# Altium PCB CMTestBoard.PcbDoc (part 1 of 2)
Units mil, origin at the board's own origin, x right, y up, seen from the top; angles counter-clockwise.
Board outline 3746.98 x 3732.78 mil, 4 copper layers (Top Layer, Layer 1, Layer 2, Bottom Layer), stack 22.4 mil thick; 125 components, 107 nets, 710 pads, 269 vias.
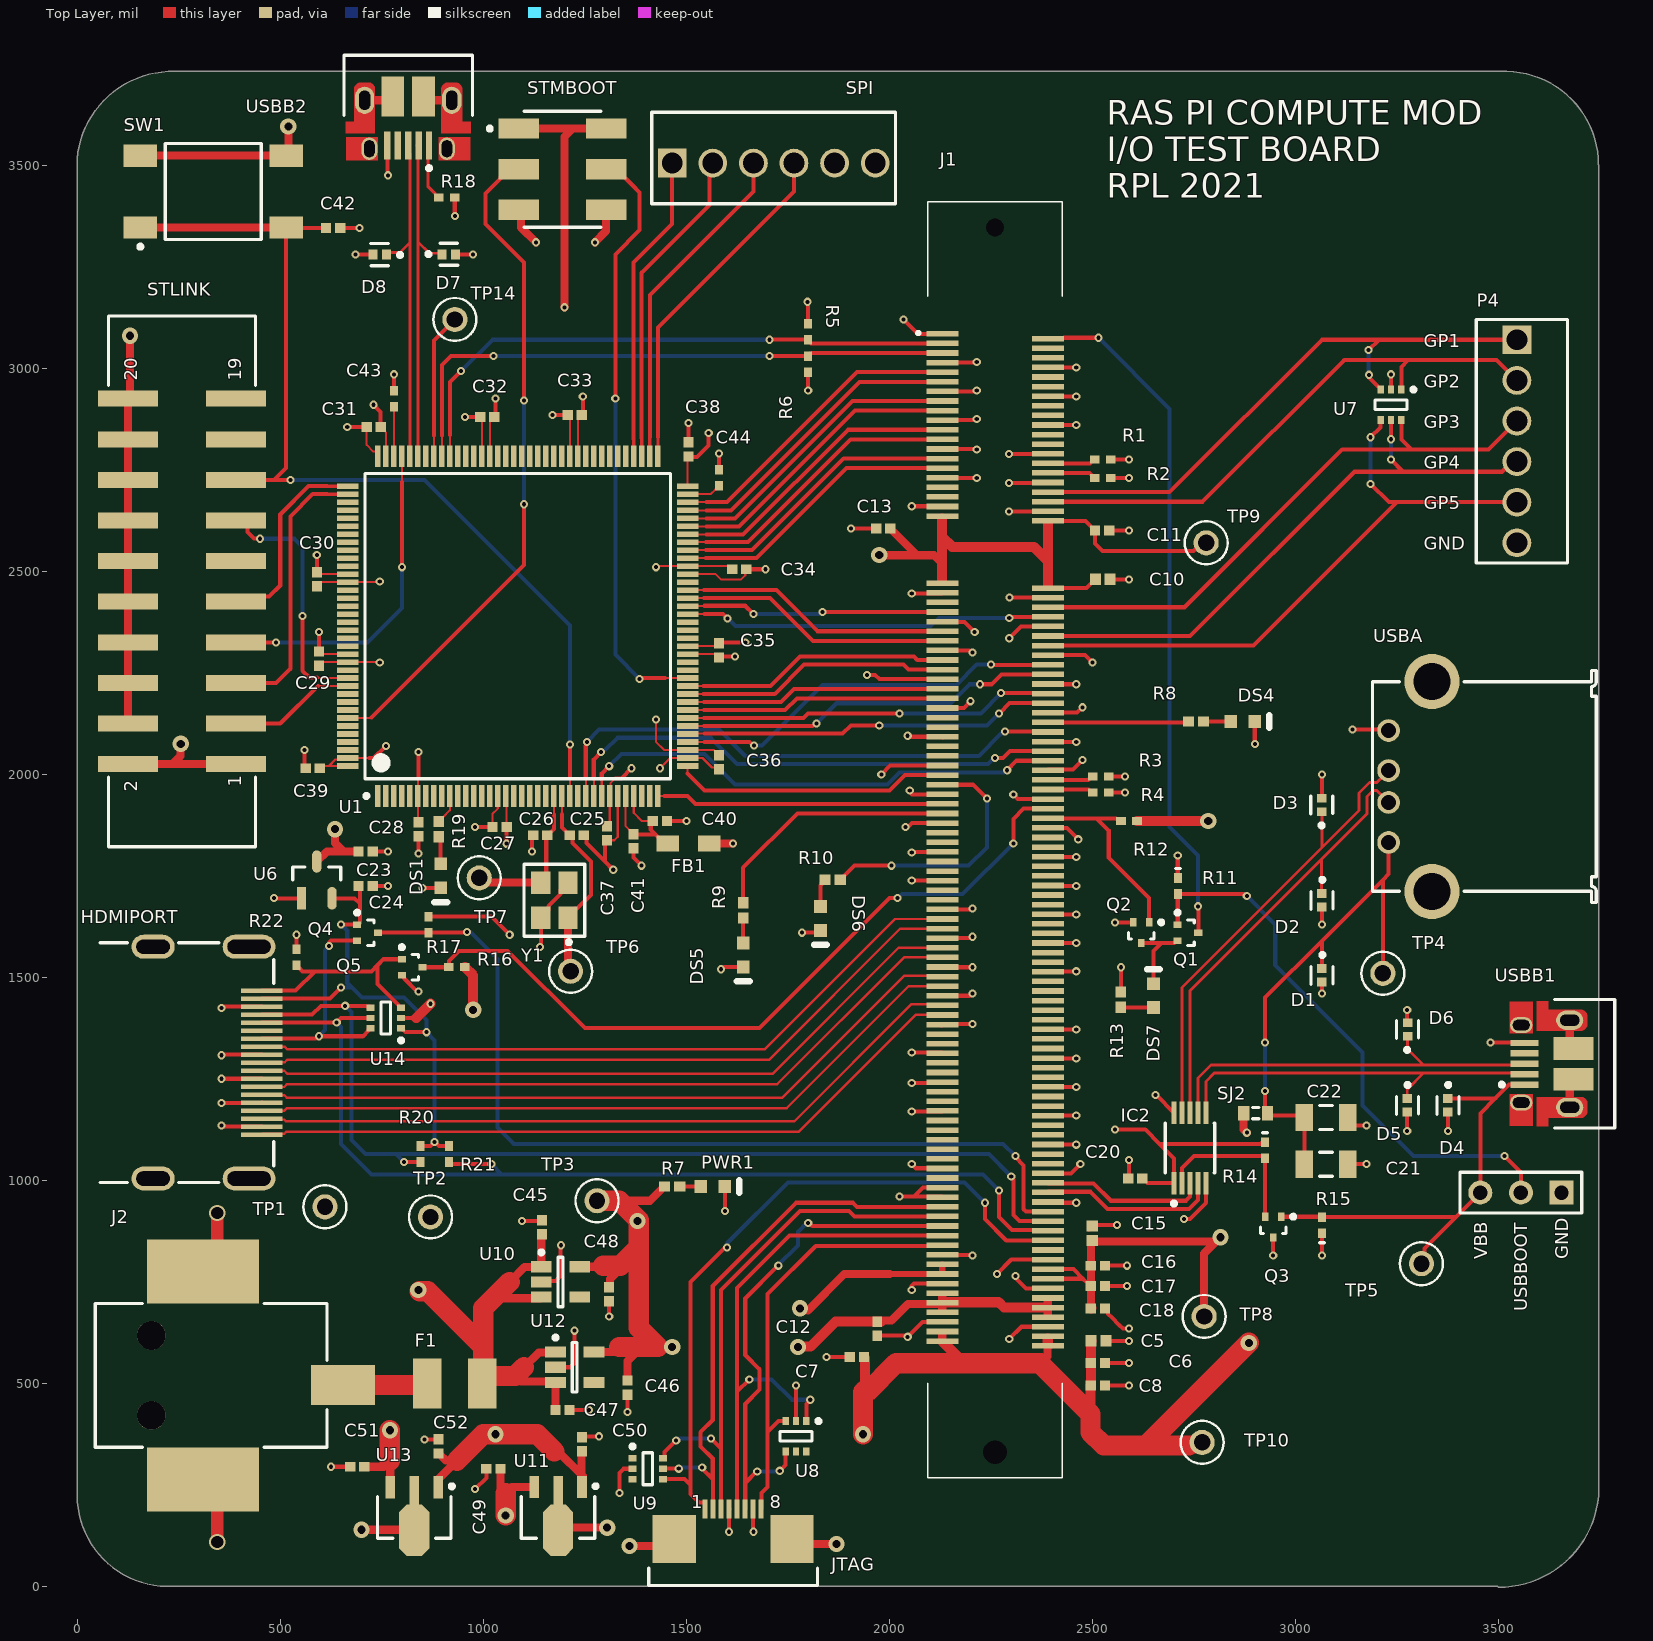
[diagram p0: Top Layer view]
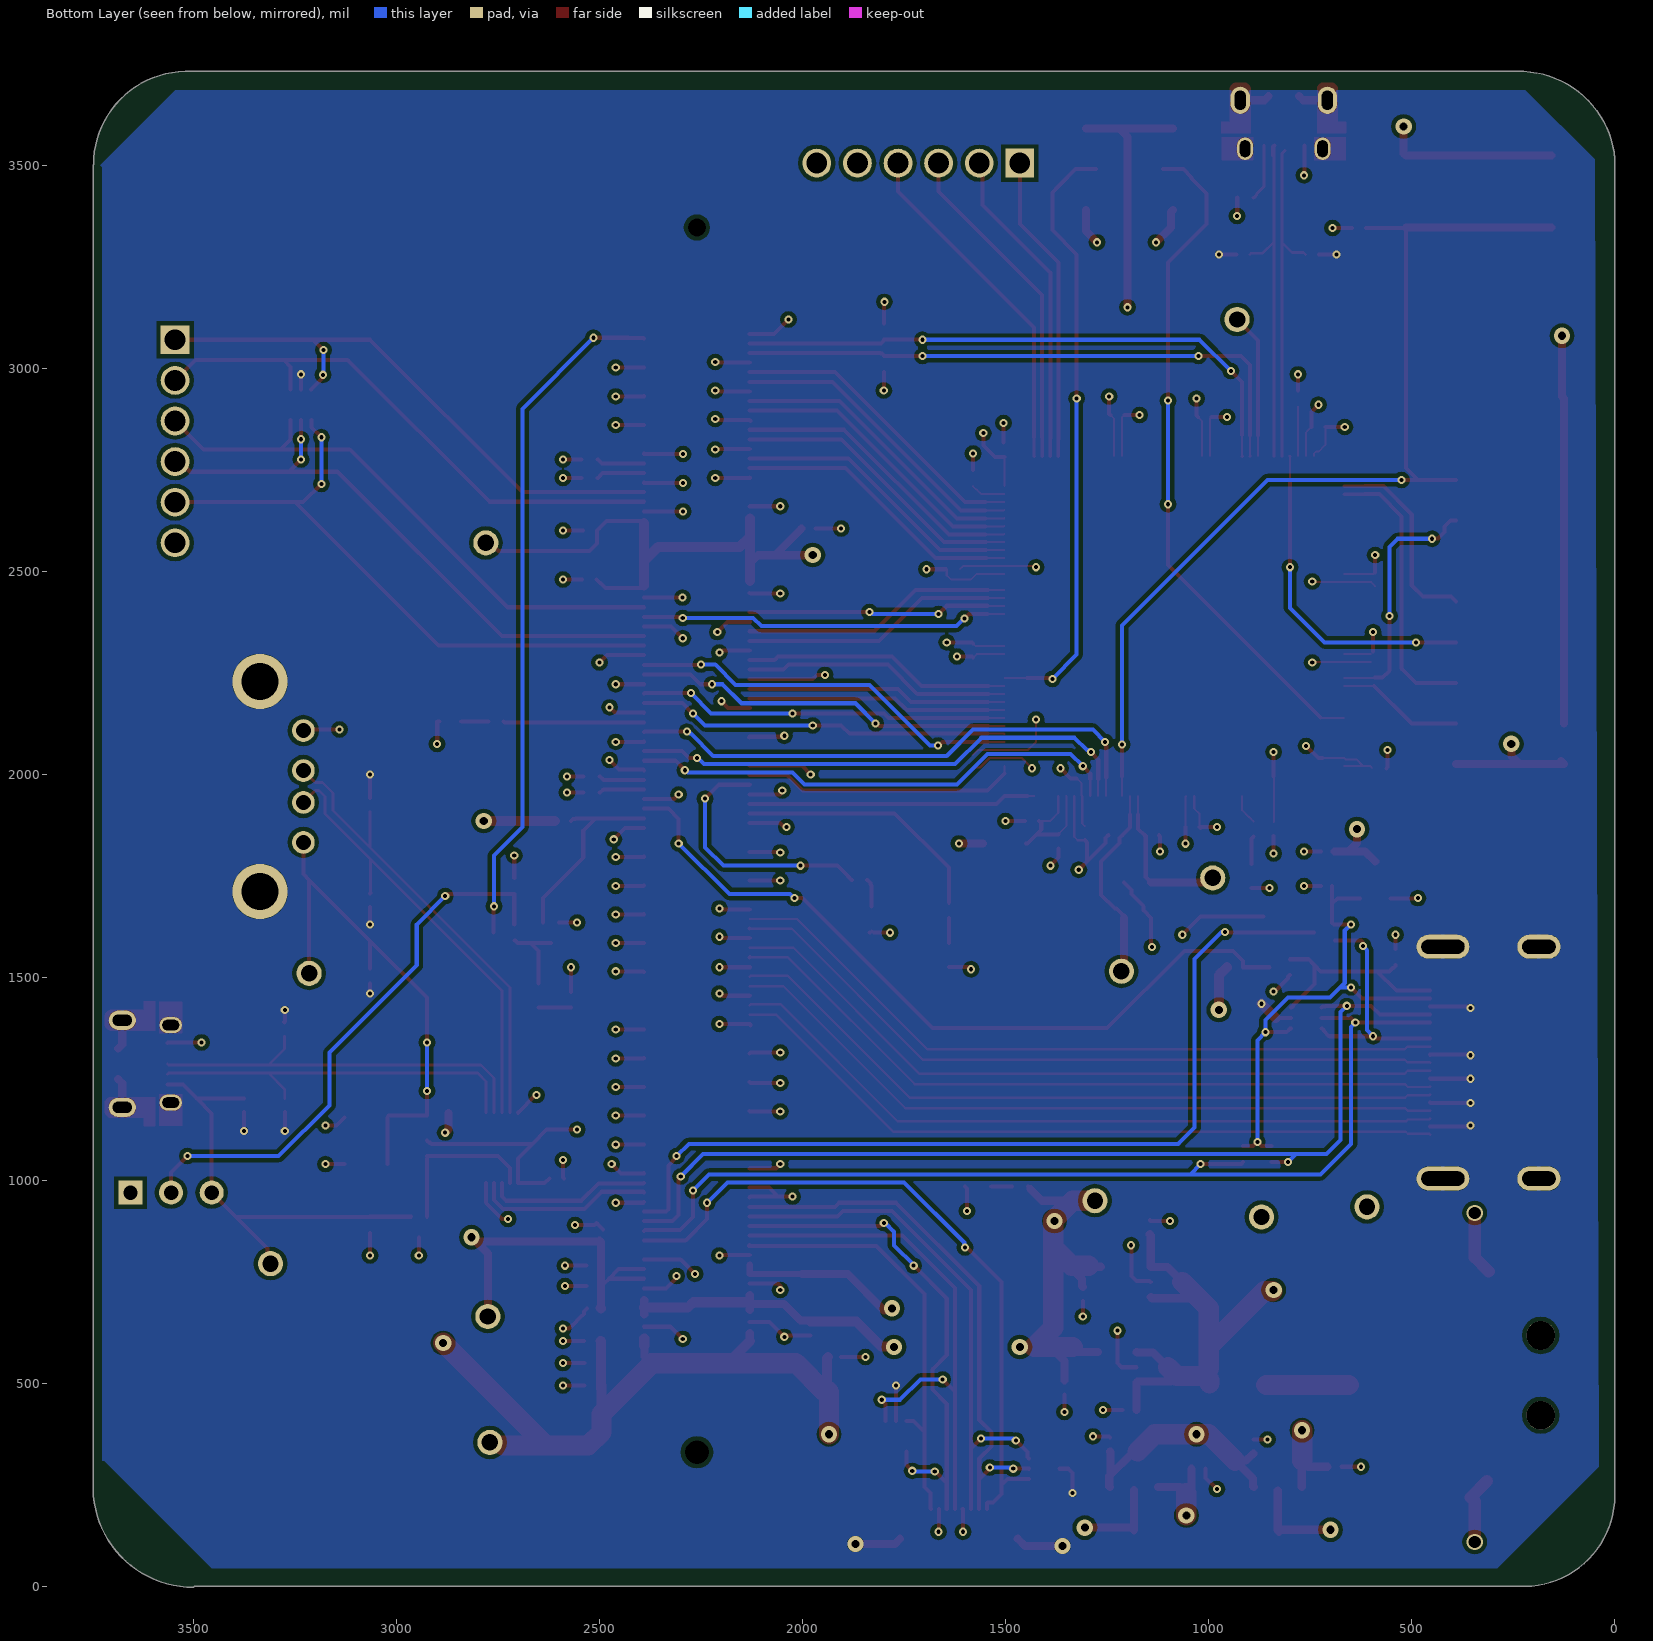
[diagram p1: Bottom Layer view, seen from below]
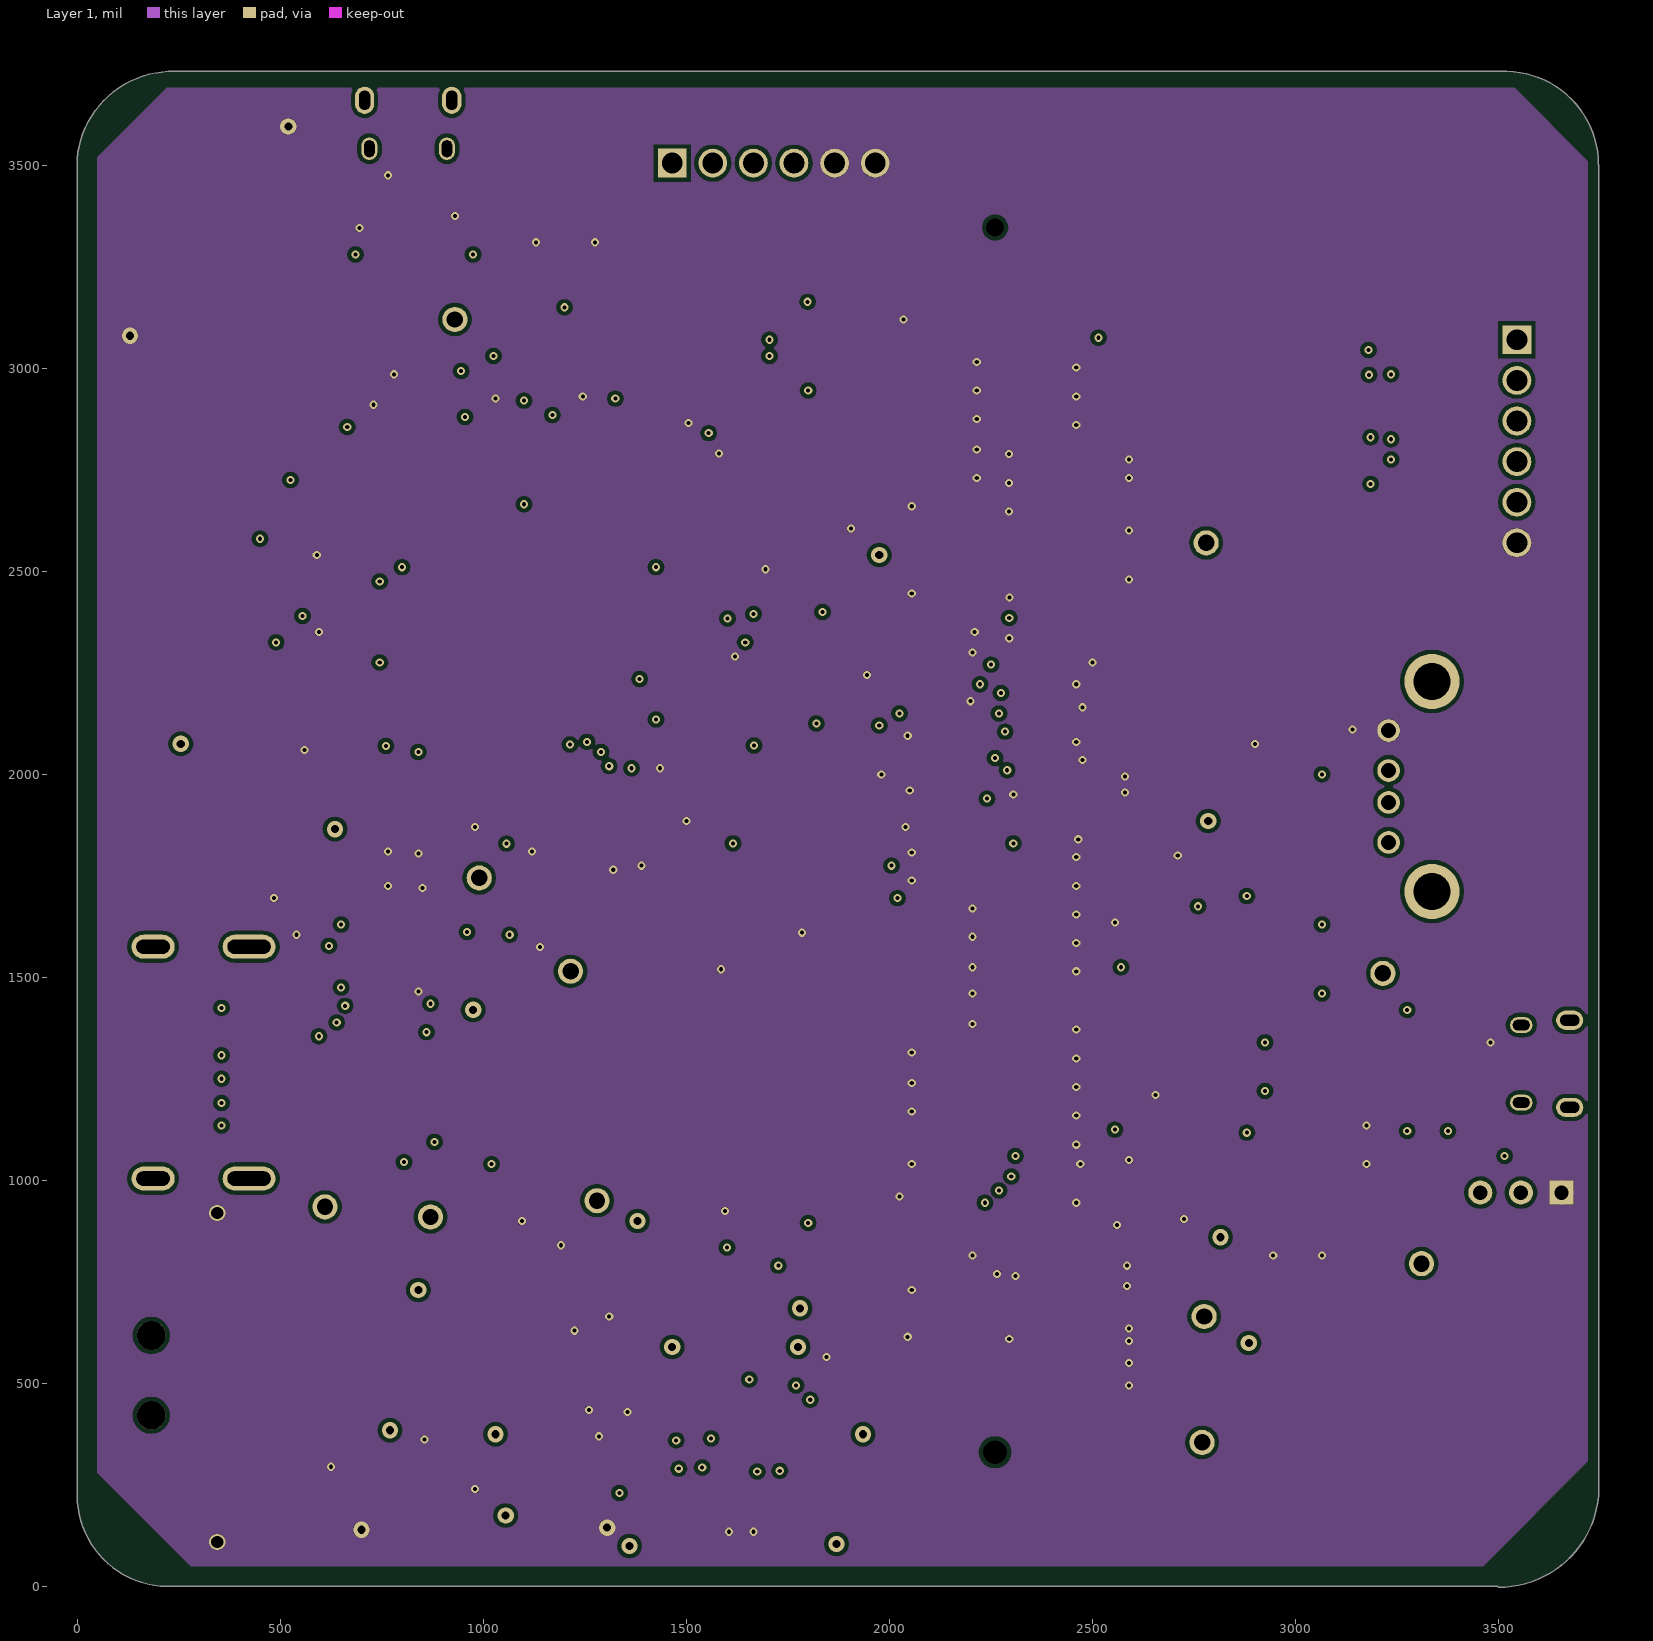
[diagram p2: Layer 1]
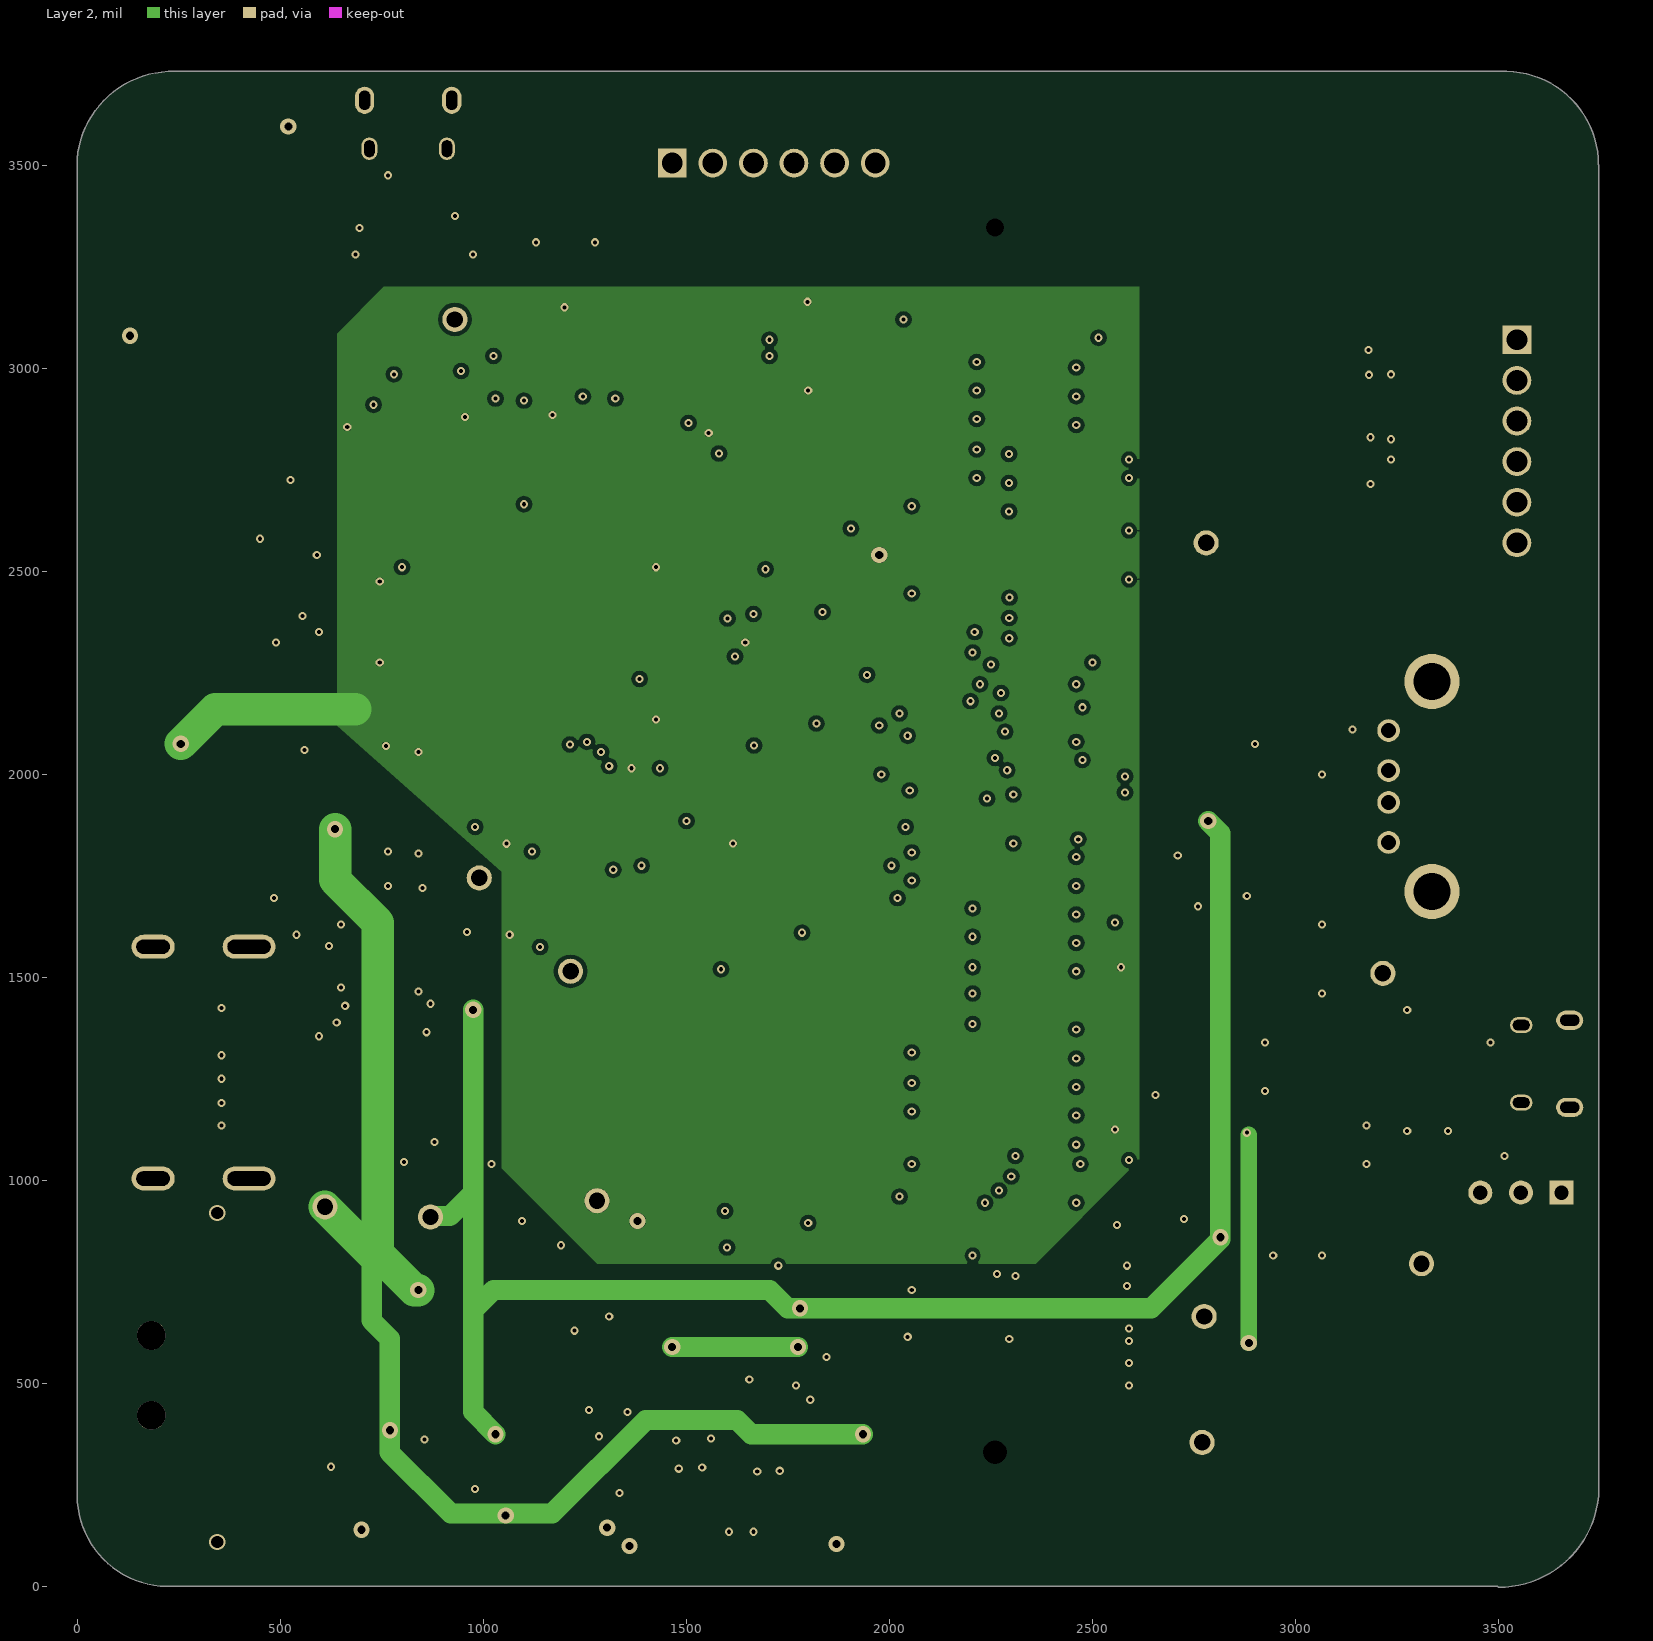
[diagram p3: Layer 2]
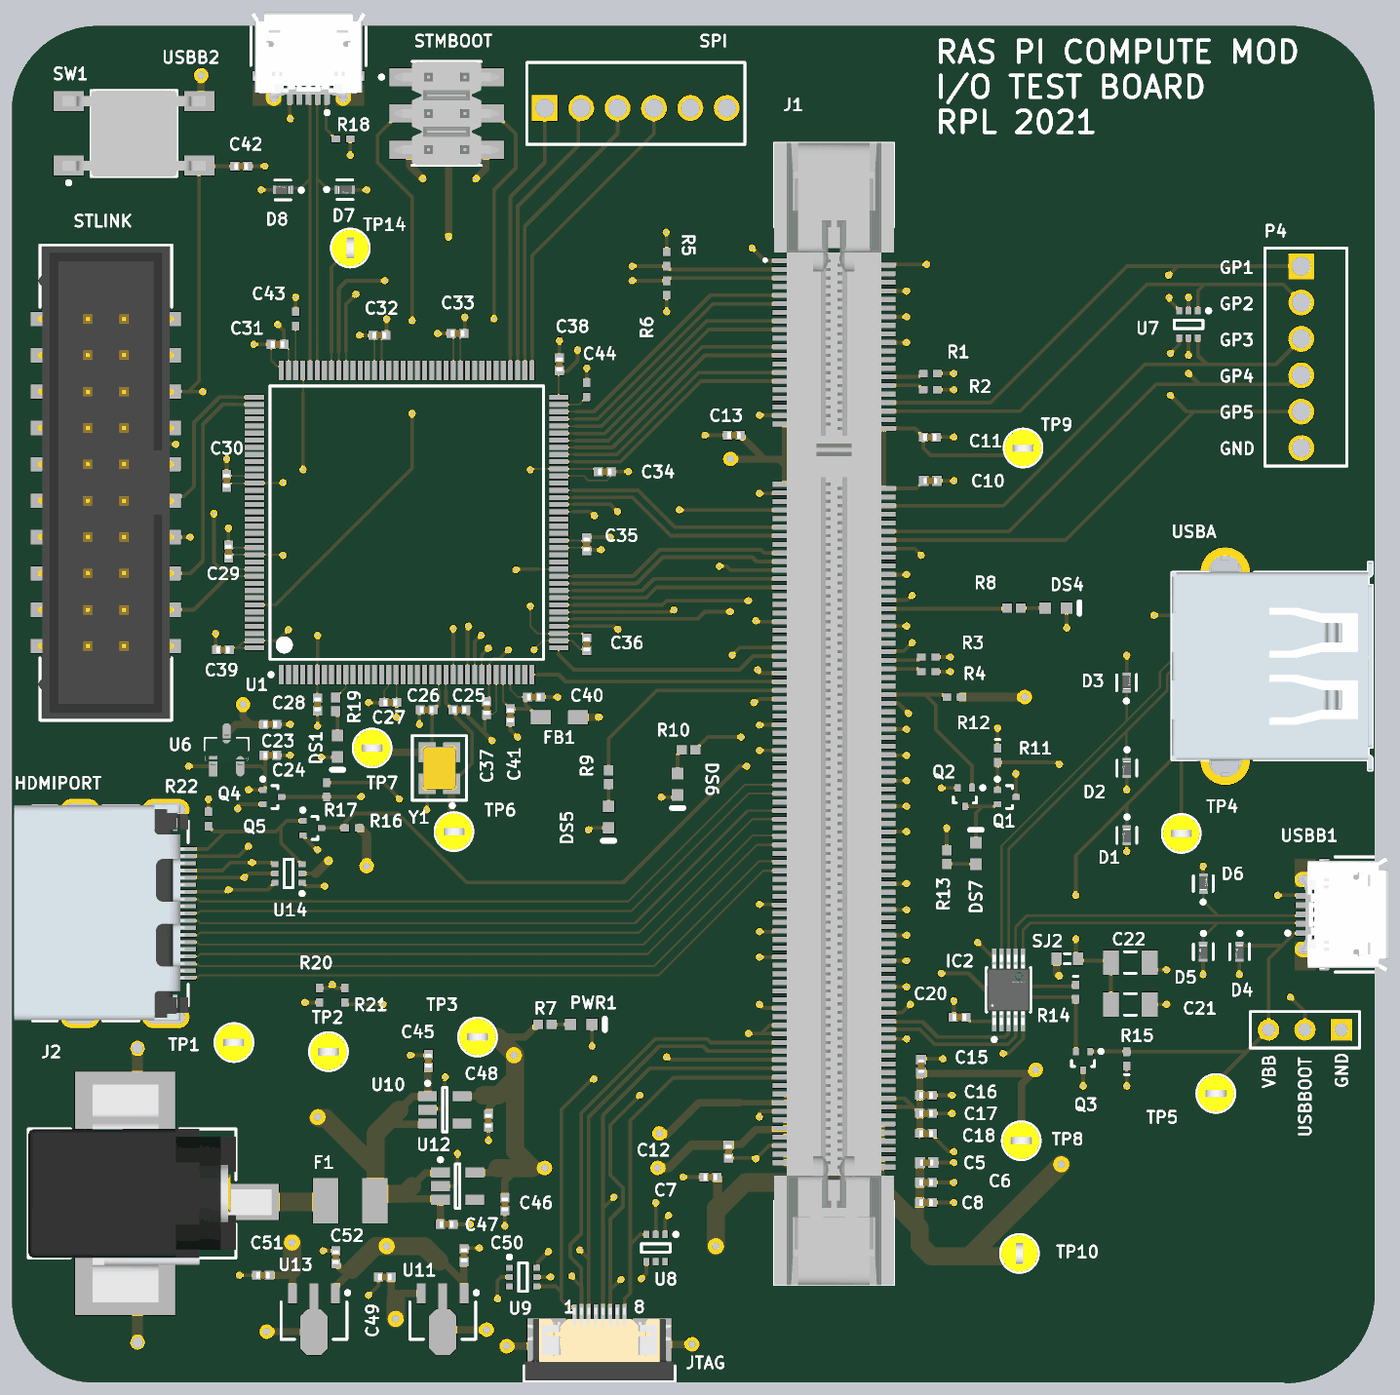
[diagram p5: 3D render of the assembled board from above, using the file's embedded part models]

## Layer stack, top to bottom
Top Solder: solder mask 0.4, Solder Resist, Dk 3.5
Top Layer: signal copper 1.4
Dielectric 2: prepreg 2.8, PP-006, Dk 4.1
Layer 1: signal copper 0.7
Dielectric 1: dielectric 12.6, FR-4, Dk 4.8
Layer 2: signal copper 0.7
Dielectric 3: prepreg 2.8, PP-006, Dk 4.1
Bottom Layer: signal copper 1.4
Bottom Solder: solder mask 0.4, Solder Resist, Dk 3.5

## Board outline
0,225 ccw(c224.73,225) 220.32,0.31 3497.7,0.31 3500,-1.98 ccw(c3500,245) 3746.94,240.16 3746.94,334.95 3746.98,335 3746.98,3500.8 3745.87,3500.8 ccw(c3515.88,3500.8) 3520.39,3730.75 3520.39,3730.8 240.02,3730.8 ccw(c235,3495) 0,3515

## Design rules (kind name [scope] priority, off if disabled: settings)
Clearance [All] p1: gap=10 ignorepadtopadclearanceinfootprint=TRUE except(0: Arc-Text Arc-Hole Track-Text Track-Hole SMDPad-Hole THPad-Text THPad-Hole Via-Text Via-Hole Fill-Text Fill-Hole Poly-Text Poly-Hole Region-Text Region-Hole Text-Text Text-Hole; 5: Arc-Arc Arc-Track Track-Track SMDPad-SMDPad; 6: SMDPad-Text; 8: Arc-SMDPad Track-SMDPad; 15: Arc-THPad Track-THPad; 20: SMDPad-Via THPad-THPad THPad-Via Via-Via)
DiffPairsRouting [All] p1: maxlimit=13 minlimit=10 mostfreqgap=13 toplayer_minwidth=6 toplayer_maxwidth=13 toplayer_prefwidth=7 midlayer1_minwidth=6 midlayer1_maxwidth=13 midlayer1_prefwidth=7 midlayer2_minwidth=6 midlayer2_maxwidth=13 midlayer2_prefwidth=7 bottomlayer_minwidth=6 bottomlayer_maxwidth=13 bottomlayer_prefwidth=7 maxuncoupledlength=500
HoleSize [All] p1: absolutevalues=TRUE maxlimit=100 minlimit=10 maxpercent=80.000 minpercent=20.000
MinimumAnnularRing [All] p1: minimumring=5
MinimumSolderMaskSliver [All] p1: minsoldermaskwidth=8
PolygonConnect [HasFootprint('No Footprint')] p1: connectstyle=Direct reliefconductorwidth=10 reliefentries=4 polygonreliefangle="90 Angle" airgapwidth=10
RoutingVias [All] p1: holewidth=10 width=20 viastyle="Through Hole" minholewidth=5 minwidth=20 maxholewidth=40 maxwidth=50
SolderMaskExpansion [All] p1: expansion=2 istentingtop=FALSE
Width [All] p1: maxlimit=80 minlimit=3.5 preferedwidth=10
27 further rules are at their usual default settings.

## Classes and differential pairs
component class U_STM32F4: C25 C26 C27 C28 C29 C30 C31 C32 C33 C34 C35 C36 C37 C38 C39 C40 C41 C42 C43 C44 D7 D8 DS1 FB1 R18 R19 SPI STLINK STMBOOT SW1 TP6 TP7 TP14 U1 USBB2 Y1
net class TC[1..5]: TC1 TC2 TC3 TC4 TC5
component class U_Peripherals: C20 C21 C22 C23 C24 D1 D2 D3 D4 D5 D6 DS7 HDMIPORT IC2 JTAG Q1 Q2 Q3 Q4 Q5 R11 R12 R13 R14 R15 R16 R17 R20 R21 R22 SJ2 TP4 TP5 U6 U14 USBA USBB1 USBBOOT
net class TOG[1..10]: TOG1 TOG2 TOG3 TOG4 TOG5 TOG6 TOG7 TOG8 TOG9 TOG10
component class U_CMPower: C5 C6 C7 C8 C10 C11 C12 C13 C15 C16 C17 C18 C45 C46 C47 C48 C49 C50 C51 C52 F1 J2 TP1 TP2 TP3 U10 U11 U12 U13
component class U_200PinConnector: DS4 DS5 DS6 J1 P4 PWR1 R1 R2 R3 R4 R5 R6 R7 R8 R9 R10 TP8 TP9 TP10 U7 U8 U9

## Components (designator, comment, footprint, x,y, rotation, side; value= is the part's Value field where it differs from the comment)
C5 "0402CG150J500NT" CAPC1005X90N 2515,605 r180 top value=15pF
C6 "0402CG560J500NT" CAPC1005X55N 2513.43,550 r0 top value=56pF
C7 "CL05B103KB5NNNC" CAPC1005X55N 1920,565 r180 top value=10nF
C8 "CL05B104KO5NNNC" CAPC1005X55N 2513.43,495 r0 top value=100nF
C10 "0402CG150J500NT" CAPC1005X90N 2525.2,2480 r180 top value=15pF
C11 "0402CG560J500NT" CAPC1005X55N 2523.62,2600 r0 top value=56pF
C12 "CL05B103KB5NNNC" CAPC1005X55N 1970,635 r270 top value=10nF
C13 "CL05B104KO5NNNC" CAPC1005X55N 1985,2605 r180 top value=100nF
C15 "0402CG150J500NT" CAPC1005X90N 2500,870 r270 top value=15pF
C16 "0402CG560J500NT" CAPC1005X55N 2513.43,790 r0 top value=56pF
C17 "CL05B103KB5NNNC" CAPC1005X55N 2513.43,740 r0 top value=10nF
C18 "CL05B104KO5NNNC" CAPC1005X55N 2513.43,685 r0 top value=100nF
C20 "CL05B104KO5NNNC" CAPC1005X55N 2605,1005 r180 top value=100nF
C21 "CL31A476MPHNNNE" C1206 3075,1040 r180 top value=47uF
C22 "CL31A476MPHNNNE" C1206 3075,1155 r180 top value=47uF
C23 "CL05B104KO5NNNC" CAPC1005X55N 710,1810 r0 top value=100nF
C24 "CL05B104KO5NNNC" CAPC1005X55N 710,1725 r0 top value=100nF
C25 "CL05C100JB5NNNC" CAPC1005X55N 1230,1850 r0 top value=10pF
C26 "CL05C100JB5NNNC" CAPC1005X55N 1140,1850 r180 top value=10pF
C27 "CL05B104KO5NNNC" CAPC1005X55N 1040,1870 r180 top value=100nF
C28 "CL05B104KO5NNNC" CAPC1005X55N 840,1865 r270 top value=100nF
C29 "CL05B104KO5NNNC" CAPC1005X55N 595,2285 r90 top value=100nF
C30 "CL05B104KO5NNNC" CAPC1005X55N 590,2480 r90 top value=100nF
C31 "CL05B104KO5NNNC" CAPC1005X55N 730,2855 r0 top value=100nF
C32 "CL05B104KO5NNNC" CAPC1005X55N 1010,2880 r0 top value=100nF
C33 "CL05B104KO5NNNC" CAPC1005X55N 1225,2885 r0 top value=100nF
C34 "CL05B104KO5NNNC" CAPC1005X55N 1630,2505 r0 top value=100nF
C35 "CL05B104KO5NNNC" CAPC1005X55N 1580,2305 r270 top value=100nF
C36 "CL05B104KO5NNNC" CAPC1005X55N 1580,2030 r270 top value=100nF
C37 "CL05B104KO5NNNC" CAPC1005X55N 1305,1855 r270 top value=100nF
C38 "CL05B104KO5NNNC" CAPC1005X55N 1505,2800 r90 top value=100nF
C39 "CL05A475MP5NRNC" CAPC1005X55N 580,2015 r180 top value=4.7uF
C40 "CL05B104KO5NNNC" CAPC1005X55N 1435,1885 r0 top value=100nF
C41 "CL05A105KA5NQNC" CAPC1005X55N 1370,1835 r270 top value=1uF
C42 "CL05B104KO5NNNC" CAPC1005X55N 630,3345 r0 top value=100nF
C43 "CL05A225MQ5NSNC" 0402 780,2925 r270 top
C44 "CL05A225MQ5NSNC" 0402 1580,2730 r270 top
C45 "CL05A106MQ5NUNC" CAPC1005X55N 1145,885 r90 top value=10uF
C46 "CL05A106MQ5NUNC" CAPC1005X55N 1355,490 r270 top value=10uF
C47 "CL05A106MQ5NUNC" CAPC1005X55N 1195,435 r0 top value=10uF
C48 "CL05A106MQ5NUNC" CAPC1005X55N 1310,720 r270 top value=10uF
C49 "CL05A105KA5NQNC" CAPC1005X55N 1025,290 r180 top value=1uF
C50 "CL05A105KA5NQNC" CAPC1005X55N 1242.83,350.03 r90 top value=1uF
C51 "CL05A105KA5NQNC" CAPC1005X55N 690,295 r180 top value=1uF
C52 "CL05A105KA5NQNC" CAPC1005X55N 890,345 r90 top value=1uF
D1 "SP3030-01ETG" FP-SP3030-MFG 3065,1505 r270 top value=0.5pF
D2 "SP3030-01ETG" FP-SP3030-MFG 3065,1690 r270 top value=0.5pF
D3 "SP3030-01ETG" FP-SP3030-MFG 3065,1924.49 r90 top value=0.5pF
D4 "SP3030-01ETG" FP-SP3030-MFG 3375,1185 r270 top value=0.5pF
D5 "SP3030-01ETG" FP-SP3030-MFG 3275,1185 r270 top value=0.5pF
D6 "SP3030-01ETG" FP-SP3030-MFG 3275.87,1371.75 r90 top value=0.5pF
D7 "SP3030-01ETG" FP-SP3030-MFG 915,3280 r0 top value=0.5pF
D8 "SP3030-01ETG" FP-SP3030-MFG 745,3280 r180 top value=0.5pF
DS1 "LTST-S270KGKT" AVAG-HSMX-C190_V 895,1750 r270 top
DS4 "LTST-S270KGKT" AVAG-HSMX-C190_V 2870,2130 r0 top
DS5 "LTST-S270KGKT" AVAG-HSMX-C190_V 1640,1555 r270 top
DS6 "LTST-S270KGKT" AVAG-HSMX-C190_V 1830,1645 r270 top
DS7 "NCD0603R5" AVAG-HSMX-C190_V 2650,1455 r90 top
F1 "ASMD1812-300" LFUS-FUSE1812-71_V 930,500 r0 top
FB1 "BLM21AG102SN1D" MURA-BLM21-H1-CHIP-2_V 1505,1830 r180 top
HDMIPORT "685119134923" 685119134923 245,1290 r270 top
IC2 "FSUSB42MUX" FP-846AP-MFG 2740,1080 r90 top
J1 "2040910-1" 20409101 2260.08,1838.54 r270 top locked
J2 "694106105102" 694106105102 330,520 r270 top